# Altium PCB Copy of PCB1.PcbDoc (part 3 of 3)
Units mil, origin at the board's own origin, x right, y up, seen from the top; angles counter-clockwise.
Board outline 7240 x 4675 mil, 2 copper layers (Top Layer, Bottom Layer); 302 components, 122 nets, 3182 pads, 49 vias.
Unrouted connection lines stored in the file: 237.
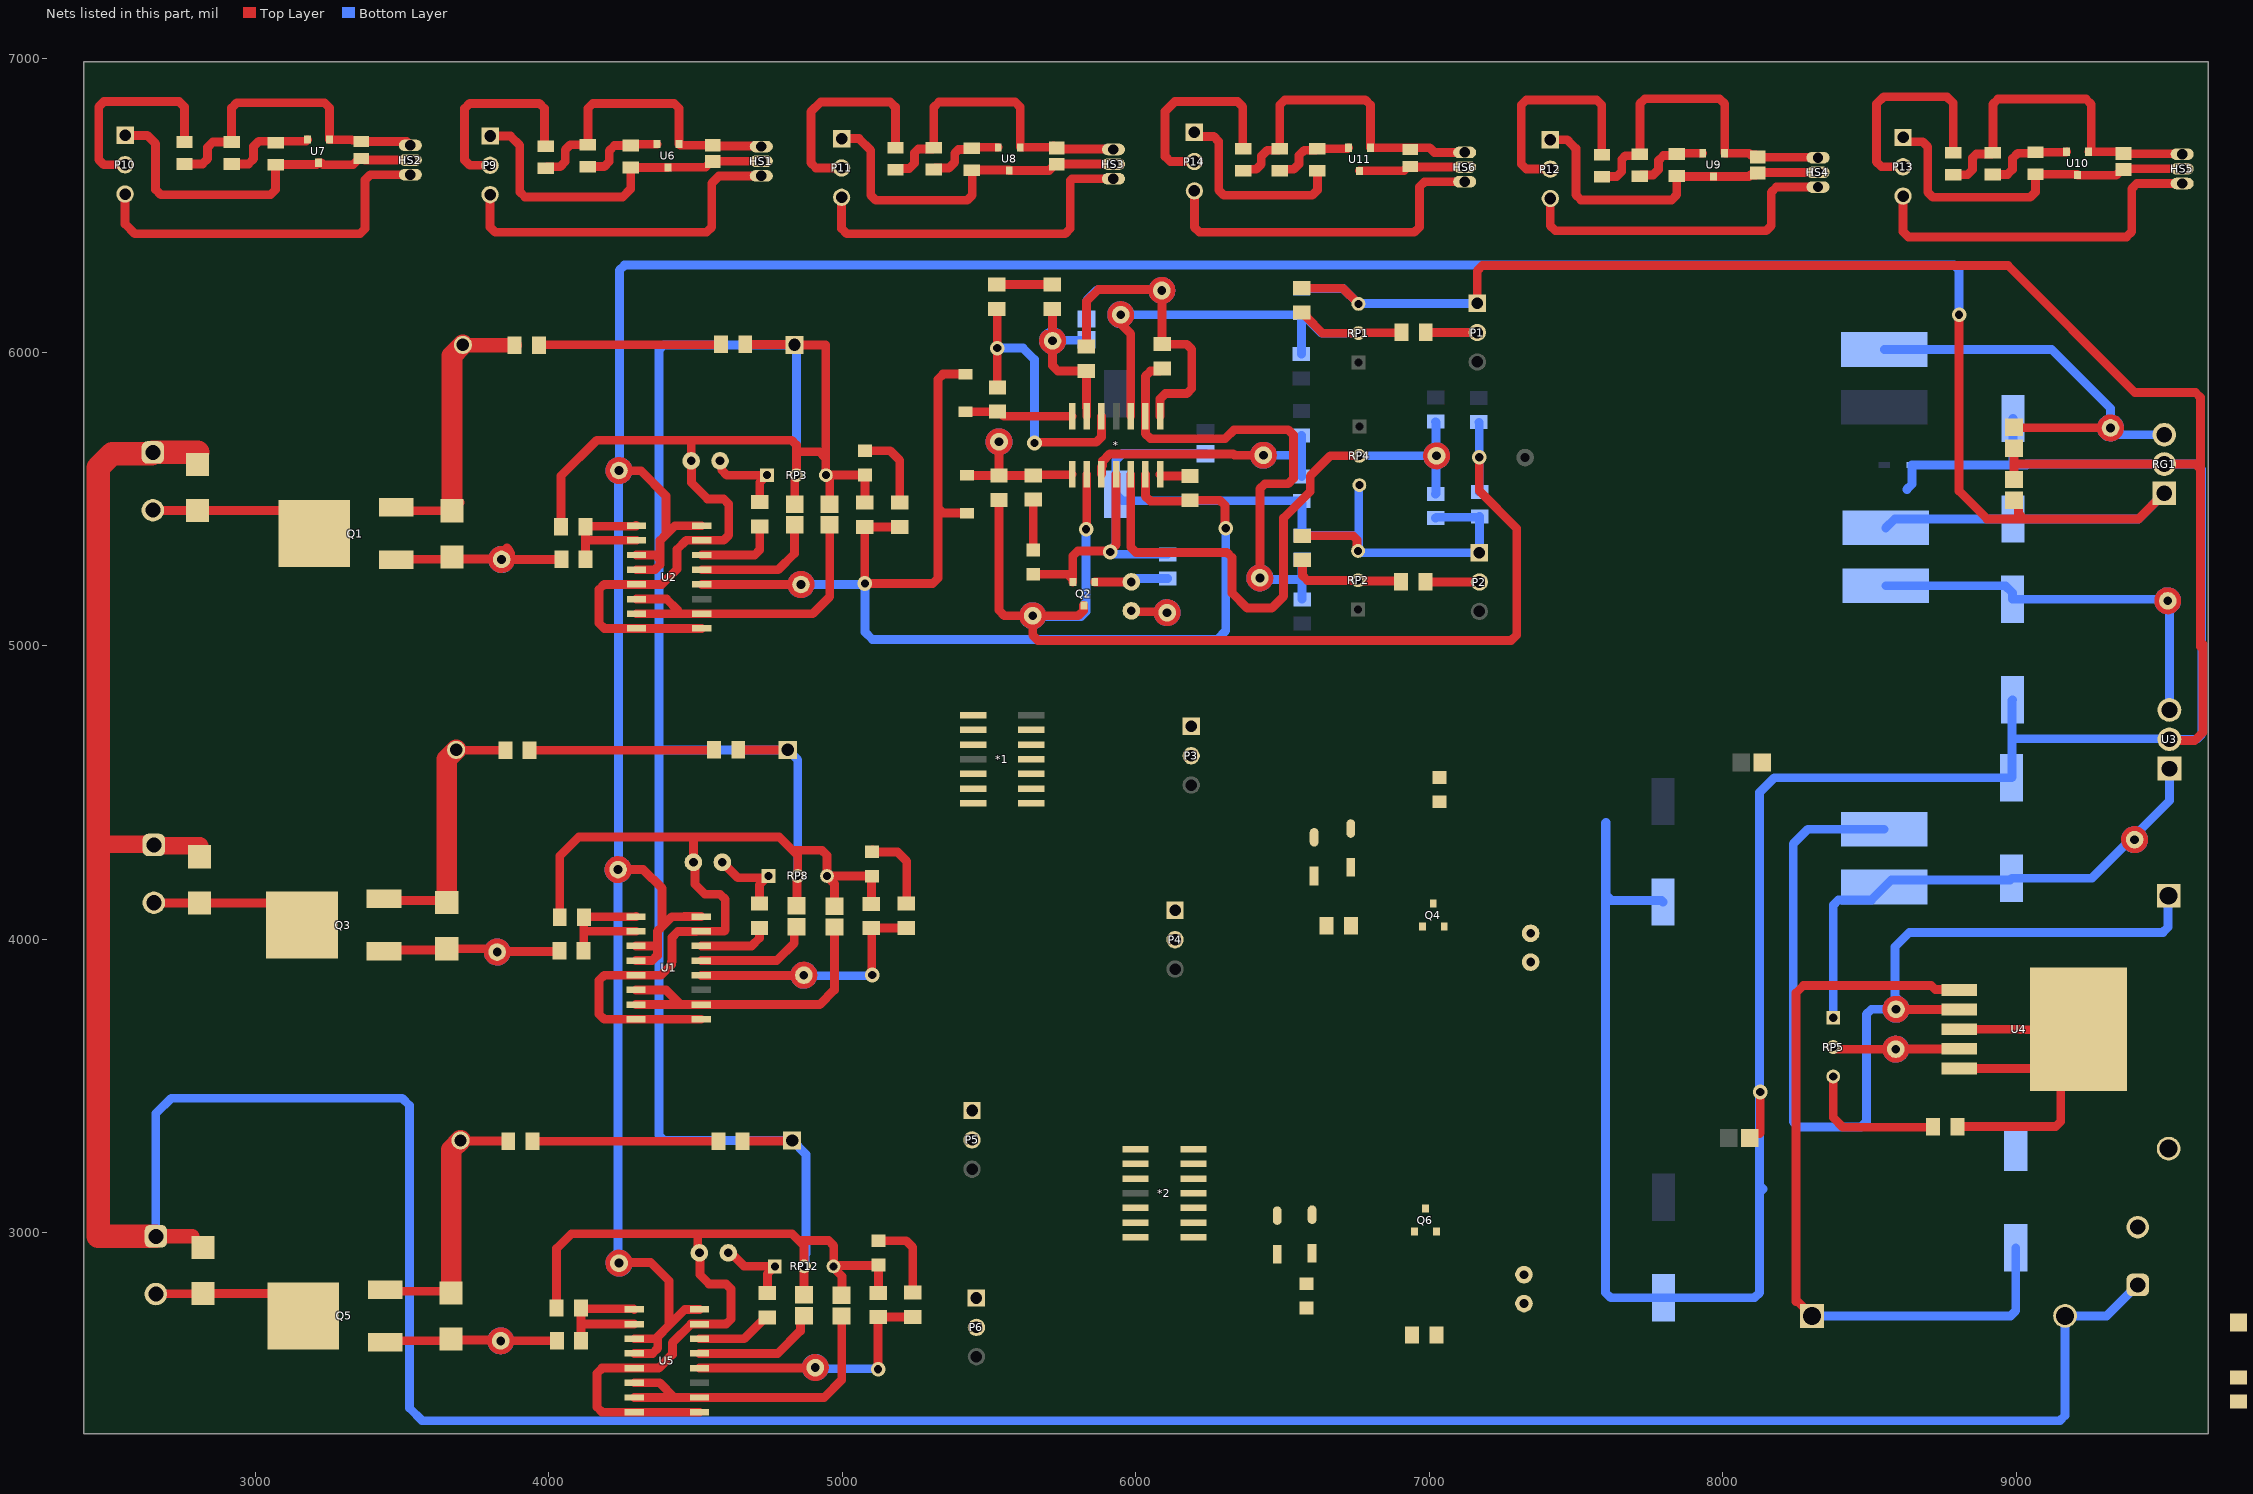
[diagram p3: the nets of this part, all layers, seen from the top]

## Via types
v1: diameter 60/60 (per signal layer), hole 28, Top Layer to Bottom Layer, 36 vias
v2: diameter 50, hole 28, Top Layer to Bottom Layer, 13 vias

## Nets (pads, with @x,y where several pads share a name; then routed paths per layer and width w, separated by ;. In a path a pad name is that pad's centre, name@x,y a point inside that pad or via, vN(x,y) a via of type N, cw(c..) or ccw(c..) an arc to the next point about the centre after c; other vN are vias at no path point) (continued)
+12: C3.1 C6.1 L2.2 R90.2 RG1.1 TP2.1 TP26.1 TP34.1 TP41.1 U1.8 U1.11 U1.12 U2.8 U2.11 U2.12 U5.8 U5.11 U5.12 | length 12671.4
  Top Layer w30: TP26.1@4236,4237 4266.93,4237 4322,4237 4386,4173 4386,4043 ; TP2.1@4239,5597 4240,5596 4269.91,5596 4314,5596 4399,5511 4399,5378 ; 4278.93,2898 4347,2898 4409.67,2835.33 4409.67,2683.99 ; U5.12@4291,2588 4353.29,2588 4371,2605.71 4371,2645.32 ; U5.11@4291,2638 4363.68,2638 4371,2645.32 ; U1.12@4296.75,3927 4352.43,3927 4370,3944.57 4370,3985.79 ; U1.11@4296.75,3977 4361.21,3977 4370,3985.79 ; U2.12@4298.75,5259 4361.43,5259 4379,5276.57 4379,5292 ; U2.11@4298.75,5309 4362,5309 4379,5292 ; U5.8@4513.5,2738 4463.68,2738 4409.67,2683.99 ; U1.8@4519.25,4077 4462.43,4077 4461.43,4076 4419,4076 4386,4043 ; U2.8@4521.25,5409 4430,5409 4399,5378 ; v2(8806,6128) 8806,5527 8901,5432 9026.21,5432 ; C3.1@8993,5495.54 8994.02,5495.54 9008.63,5480.92 9008.63,5449.57 9026.21,5432 ; RG1.1@9505,5519.2 9417.8,5432 9026.21,5432 ; 4370,3985.79 4370,4027 4386,4043 ; 4371,2645.32 4409.67,2683.99 ; 4379,5292 4379,5358 4399,5378
  Bottom Layer w30: TP26.1@4236,4237 4236,4206.1 4236,2926.76 4236,2918.12 4248,2906.12 TP41.1@4248,2898 ; 4237.5,4267.87 4237.5,5566.13 ; TP2.1@4239,5597 4240.5,5598.5 4240.5,5627.87 4240.5,6279.43 4258.07,6297 8788.43,6297 8806,6279.43 v2(8806,6128) ; L2.2@8556,5401.43 8586.32,5431.74 C6.1@8990,5431.74 9417.54,5431.74 RG1.1@9505,5519.2
  other v1: 4239,2896 11754,5243
GND: *1.11 *2.11 *.11 C2.2 C3.2 C4.1 C5.2 C6.2 C7.2 C8.2 C9.1 C10.1 C11.2 C12.2 C14.1 C15.2 C16.2 C17.1 C18.1 C20.1 C21.2 C22.2 C23.1 C24.1 C25.1 C26.1 C27.1 C28.1 C29.1 C30.1 C31.1 C32.1 C33.1 C34.1 C35.1 C36.1 C37.1 C38.1 C39.1 CR1.2 D4.2 D5.2 D10.2 D11.2 D17.2 D18.2 HS1.2 HS2.2 HS3.2 HS4.2 HS5.2 HS6.2 J1.2 J8.1 J9.1 J10.1 P1.1 P2.1 P3.1 P4.1 P5.1 P6.1 P7.7 P7.8 P8.7 P8.8 P9.1 P10.1 P11.1 P12.1 P13.1 P14.1 Q2.2 Q4.2 Q6.2 R3.2 R6.2 R7.1 R10.2 R11.2 R17.2 R18.1 R20.2 R22.1 R23.1 R25.1 R26.2 R30.2 R32.2 R33.1 R34.1 R37.2 R38.2 R44.2 R45.1 R47.2 R49.1 R50.1 R52.1 R53.2 R57.2 R59.2 R60.1 R63.2 R64.2 R70.2 R71.1 R73.2 R75.1 R76.1 R78.1 R79.2 R83.2 R84.2 R85.2 R87.1 R88.2 R92.2 R93.2 R94.2 R96.1 R97.2 R99.1 R100.2 R107.2 R108.2 R109.2 R116.2 R117.2 R118.2 RG1.2 RP1.3 RP2.3 RP3.2 RP3.3 RP4.3 RP6.3 RP7.3 RP8.2 RP8.3 RP9.3 RP10.3 RP11.3 RP12.2 RP12.3 RP13.3 U1.1 U1.7 U1.13 U1.16 U2.1 U2.7 U2.13 U2.16 U3.2 U4.3 U4.5 U4.6 U5.1 U5.7 U5.13 U5.16 U6.3 U7.3 U8.3 U9.3 U10.3 U11.3 Z1.2 | length 42355.7
  Top Layer w30: P10.1@2556,6739 2631,6739 2660,6710 2660,6554.57 2677.57,6537 3051.43,6537 3069,6554.57 R108.2@3069,6639.56 3208.93,6639.56 U7.3@3215,6645.63 3223.89,6645.63 3230.52,6639 3332.65,6639 3353.13,6659.47 3368.87,6659.47 3373.35,6655 HS2.2@3528,6655 ; P9.1@3799.81,6737 3869,6737 3901,6705 3901,6546.57 3918.57,6529 4251.43,6529 4279,6556.57 R107.2@4279,6629.56 4404.9,6629.56 U6.3@4405.6,6630.26 4533.9,6630.26 4554.05,6650.41 C31.1@4559,6650.41 4559.59,6651 HS1.2@4724,6651 ; R71.1@4026.26,2743 4026.26,2945.26 4077,2996 4507.26,2996 ; R45.1@4037.26,4075 4037.26,4283.26 4102,4348 4487,4348 ; R18.1@4041.63,5405 4041.63,5578.63 4163,5700 4482,5700 ; U5.1@4513.5,2388 U5.16@4291,2388 4181.57,2388 4164,2405.57 4164,2520.43 4181.57,2538 U5.13@4291,2538 4374,2538 4421,2585 4421,2624.61 4484.39,2688 U5.7@4513.5,2688 4603.43,2688 4621,2705.57 4621,2807.43 4603.43,2825 4546,2825 4515,2856 4515,2929 J10.1@4513,2931 4507.26,2936.74 4507.26,2996 ; U1.1@4519.25,3727 U1.16@4296.75,3727 4188.57,3727 4171,3744.57 4171,3859.43 4188.57,3877 U1.13@4296.75,3877 4382,3877 4418,3913 4418,3921.86 4420,3923.86 4420,4006.29 4439.71,4026 4501.5,4026 4502.5,4027 U1.7@4519.25,4027 4598,4027 4601,4030 4601,4135.43 4583.43,4153 4532,4153 4498,4187 4498,4256.57 J9.1@4492.57,4262 4492.57,4342.43 4487,4348 ; U2.1@4521.25,5059 U2.16@4298.75,5059 4188.57,5059 4171,5076.57 4171,5191.43 4188.57,5209 U2.13@4298.75,5209 4385,5209 4436.57,5260.57 4436.57,5327.57 4468,5359 U2.7@4521.25,5359 4595.43,5359 4613,5376.57 4613,5482.43 4595.43,5500 4541,5500 4486,5555 4486,5629 J8.1@4485,5630 4485,5697 4482,5700 ; R97.2@4645.37,4645 R96.1@4814,4645 ; R100.2@4660.37,3311 4661.87,3312.5 4827.5,3312.5 R99.1@4829,3314 ; R88.2@4670.37,6026 4836,6026 R87.1@4837,6025 4943.43,6025 4943.43,5581.57 RP3.3@4944,5581 ; C4.1@4838,5482.46 RP3.2@4838,5570.33 ; C14.1@4844,4113.46 4846,4115.46 4846,4213.2 RP8.2@4848,4215.2 4848,4285.43 4830.43,4303 ; RP3.2@4844,5581 4844,5664 ; C20.1@4869,2788 4869.5,2788.5 4869.5,2884.5 RP12.2@4870,2885 4870,2954.43 4851.43,2973 ; 4940.7,5642.73 4922.43,5661 4847,5661 4844,5664 ; RP3.3@4946,5581.33 D4.2@5077.67,5581.33 ; RP3.3@4957,5563.33 C5.2@4957,5482.46 C5.2@4959.45,5484.92 ; C15.2@4973,4112.46 4973,4189 4948,4214 RP8.3@4948,4215.2 ; C21.2@4997,2786.46 4999,2788.46 4999,2851.33 4970,2880.33 RP12.3@4970,2885 RP12.3@4971,2886 ; P11.1@4997.81,6728 5057,6728 5097,6688 5097,6535.57 5114.57,6518 5425.43,6518 5443,6535.57 5443,6618.56 R109.2@5441,6620.56 5568.07,6620.56 U8.3@5569,6619.63 5704.86,6619.63 5726.05,6640.82 C33.1@5731,6640.82 5731.18,6641 HS3.2@5924,6641 ; R11.2@5076,5487.37 5077,5488.37 5077,5580.66 D4.2@5077.67,5581.33 ; D4.2@5078,5581.66 D4.2@5077.67,5581.33 ; R38.2@5099,4120.37 5100,4121.37 5100,4213.66 D10.2@5101,4214.66 5100.73,4214.93 4948.27,4214.93 RP8.3@4948,4215.2 ; R64.2@5122,2794.37 5123,2795.37 D17.2@5123,2888.66 ; D17.2@5124,2889.66 D17.2@5123,2888.66 ; R3.2@5527.5,6230.87 R3.2@5527,6230.37 R10.2@5716,6230.37 R10.2@5715.5,6229.87 ; D5.2@5651,5243.66 5768.02,5243.66 Q2.2@5785.6,5226.09 ; Q2.2@5785.6,5216.37 Q2.2@5785.6,5226.09 ; *.11@5933,5584.03 5933,5344.41 5913,5324.41 v2(5913,5319) 5909.17,5322.83 5843.76,5322.83 5843.59,5323 5803.17,5323 5785.6,5305.43 Q2.2@5785.6,5226.09 ; P14.1@6199.81,6750 6214.34,6735.47 6265.43,6735.47 6283,6717.9 6283,6552.57 6300.57,6535 6601.43,6535 6619,6552.57 R118.2@6619,6618.56 ; R6.2@6566,6218.37 6705.63,6218.37 RP1.3@6759,6165 ; R17.2@6568,5374.37 6740.43,5374.37 6754.5,5360.3 6754.5,5326.3 RP2.3@6757.8,5323 ; U11.3@6762.6,6618.26 6913.91,6618.26 6928.13,6632.47 C36.1@6936,6632.47 6937.47,6631 HS6.2@7121,6631 ; P1.1@7163.81,6167 7163.81,6278.05 7181.38,6295.62 8972.38,6295.62 9405,5863 9611.43,5863 9629,5845.43 9629,5601.43 9629,5545.5 9628.5,5545 9628.5,4996.5 ; P12.1@7412.81,6724 7470,6724 7485.99,6708.01 7500,6694 7500,6536.57 7517.57,6519 7826.43,6519 7844,6536.57 R116.2@7844,6600.56 7845.3,6599.26 U9.3@7969.6,6599.26 8090.73,6599.26 8095.14,6603.67 8113.26,6603.67 C34.1@8120,6610.41 8122.59,6613 HS4.2@8325,6613 ; C24.1@8092.46,3322 8092.46,3323.02 8107.08,3337.63 8126.06,3337.63 8128,3339.57 v2(8128,3479) ; C18.1@8132.46,4604 C18.1@8134.46,4602 ; P13.1@8615,6732 8629.53,6717.47 8681.43,6717.47 8699,6699.9 8699,6545.57 8716.57,6528 9048.43,6528 9066,6545.57 R117.2@9066,6606.56 9208.07,6606.56 U10.3@9210,6604.63 ; R33.1@8800.37,3361 9134.43,3361 9152,3378.57 U4.6@9152,3632.61 ; U4.5@8806.69,3558.98 9078.38,3558.98 U4.6@9152,3632.61 ; U4.3@8806.69,3693 9015,3693 9017,3691 U4.6@9210.39,3691 ; C3.2@8992,5579 8992.5,5579.5 8992.5,5619 ; C2.2@8993,5673.07 8992.5,5672.57 8992.5,5619 ; U10.3@9211.6,6603.03 9341.67,6603.03 9363.64,6625 HS5.2@9566,6625 ; U4.6@9212.39,3693 U4.6@9210.39,3691 ; U3.2@9522.74,4681 9526.74,4677 9609,4677 9637,4705 9637,5005 ; 9628.5,5601.43 9610.93,5619 RG1.2@9505,5619 8992.5,5619 ; 4482,5700 4827.43,5700 4844,5683.43 4844,5664 ; 4487,4348 4785.43,4348 4830.43,4303 ; 4507.26,2996 4828.43,2996 4851.43,2973 ; 4830.43,4303 4930.43,4303 4948,4285.43 RP8.3@4948,4215.2 ; 4851.43,2973 4953.43,2973 4971,2955.43 RP12.3@4971,2886 ; RP12.3@4971,2886 4972.33,2887.33 5121.67,2887.33 D17.2@5123,2888.66 ; U4.6@9152,3632.61 U4.6@9210.39,3691
  Bottom Layer w30: RP3.2@4844,5581 4844,6018 R87.1@4837,6025 4392.57,6025 4375,6007.43 4375,4649 ; RP8.2@4848,4215.2 4848,4611 R96.1@4814,4645 4379,4645 4375,4649 ; RP12.2@4870,2885 4873.3,2888.3 4873.3,2926.3 4876,2929 4876,3267 R99.1@4829,3314 4392.57,3314 4375,3331.57 4375,4649 ; R25.1@6109,5311.37 5926.04,5311.37 5918.41,5319 v2(5913,5319) 5913,5324.41 5932,5343.41 C16.2@5932,5515.74 ; C10.1@6238,5654.54 5954.54,5654.54 5932,5632 C16.2@5932,5515.74 ; R7.1@6565,6217 6707,6217 RP1.3@6759,6165 6760,6166 7162.81,6166 P1.1@7163.81,6167 ; RP4.3@6762,5547 6759.9,5544.9 6759.9,5377 ; R26.2@7022,5434.63 7025,5437.63 7169,5437.63 R22.1@7171.5,5440.13 ; R22.1@7172,5440.63 R22.1@7171.5,5440.13 ; C22.2@7797,4126.48 7791.48,4132 7620.57,4132 7603,4149.57 7603,4398 7601,4396 7601,2795.31 7618.57,2777.74 C8.2@7799,2777.74 8108.43,2777.74 8126,2795.31 8126,3160.57 ; 8132,3143 8132,3154.57 ; 8137.79,3148.79 8132,3154.57 ; 8627.91,5532.49 8645.49,5550.06 Z1.2@8645.49,5616 8990,5616 ; C7.2@8988,4815.74 8986.5,4814.24 8986.5,4682.87 ; C6.2@8990,5774.26 8990,5616 ; 9036,5616 8990,5616 ; 9036,5619 RG1.2@9505,5619 9615.43,5619 9633,5601.43 9633,4698.57 9615.43,4681 U3.2@9522.74,4681 9520.87,4682.87 8986.5,4682.87 ; C16.2@5932,5515.74 5954.11,5493.63 R23.1@6566,5493.63 6566.5,5493.13 6566.5,5376.87 R20.2@6567,5376.37 6759.27,5376.37 6759.9,5377 ; 6759.9,5377 6759.9,5325.1 RP2.3@6757.8,5323 6762.47,5323 6768.47,5317 P2.1@7171,5317 7171.5,5317.5 R22.1@7171.5,5440.13 ; 8126,3160.57 8126,4500 8176,4550 C11.2@8985,4550 8986.5,4551.5 8986.5,4682.87 ; 8126,3160.57 8132,3154.57
Net*1_1: *1.1 C13.1 R27.2 R36.2 R82.2 TP21.1
  other v1: 12301,4909
Net*1_2: *1.2 R27.1 R42.2 R43.1 R44.1 R47.1 RP7.2 TP27.1
  other v1: 12600,5135
Net*1_3: *1.3 R28.2 R29.1 R32.1 R34.2 RP6.2 TP23.1
  other v1: 12992,5162
Net*1_5: *1.5 R30.1 R31.2
Net*1_6: *1.6 C13.2 R36.1 R37.1 TP22.1
  other v1: 12773,4916
Net*1_7: *1.7 D7.2 R31.1
Net*1_8: *1.8 D9.2 R48.2 R123.1 TP29.1
  other v1: 13324,5135
Net*1_9: *1.9 Q4.3 R46.2 R49.2 R123.2 TP30.1
  other v1: 13457,4929
Net*1_10: *1.10 R41.2 R50.2 TP28.1
  other v1: 13164,4909
Net*1_12: *1.12 R51.1 R53.1 RP9.2 TP33.1
  other v1: 14054,5148
Net*1_13: *1.13 D7.1 D9.1 R38.1 R40.2 R120.2 TP24.1 U1.4 | length 865.1
  Top Layer w30: U1.4@4519.25,3877 4520.25,3876 4797.09,3876 4827,3876 4828,3875 ; v2(5102,3878) 5100.5,3879.5 5100.5,4036.13 R38.1@5099,4037.63 5099.5,4038.13 5217.5,4038.13 R40.2@5218,4038.63
  Bottom Layer w30: 4828,3875 4858.9,3875 5099,3875 v2(5102,3878)
Net*2_1: *2.1 C19.1 R54.2 R62.2 R81.2 TP36.1
  other v1: 11874,4984
Net*2_2: *2.2 R54.1 R68.2 R69.1 R70.1 R73.1 RP11.2 TP42.1
  other v1: 12835,4379
Net*2_3: *2.3 R55.2 R56.1 R59.1 R60.2 RP10.2 TP38.1
  other v1: 11230,5316
Net*2_5: *2.5 R57.1 R58.2
Net*2_6: *2.6 C19.2 R62.1 R63.1 TP37.1
  other v1: 11482,4978
Net*2_7: *2.7 D13.2 R58.1
Net*2_8: *2.8 D15.2 R74.2 R124.1 TP44.1
  other v1: 13784,4306
Net*2_9: *2.9 Q6.3 R72.2 R75.2 R124.2 TP45.1
  other v1: 12137,4353
Net*2_10: *2.10 R67.2 R76.2 TP43.1
  other v1: 13299,4286
Net*2_12: *2.12 R77.1 R79.1 RP13.2 TP48.1
  other v1: 11407,4320
Net*2_13: *2.13 D13.1 D15.1 R64.1 R66.2 R121.2 TP39.1 U5.4 | length 875.6
  Top Layer w30: U5.4@4513.5,2538 4877.14,2538 4906,2538 v1(4908,2540) ; v2(5122,2534) R64.1@5122,2711.63 5122.5,2712.13 5239.5,2712.13 R66.2@5240,2712.63
  Bottom Layer w30: 4938.64,2536 5120,2536 v2(5122,2534)
Net*2_14: *2.14 C23.2 D21.1 J3.1 R121.1 TP31.1 TP47.1
  other v1: 12489,4320 13689,5135
Net*_1: *.1 C1.1 R5.2 R9.2 R80.2 TP9.1 | length 1308.1
  Top Layer w30: R9.2@5832,6019.37 5832,6173 5873,6214 6058.07,6214 ; *.1@6083,5781.97 6083,5841.43 6100.57,5859 6173.43,5859 6191,5876.57 6191,6009.8 6173.43,6027.37 R5.2@6090,6027.37 6089.5,6027.87 6089.5,6179.58
  Bottom Layer w30: C1.1@5833,6113.46 5833,6177 5869,6213 6058.2,6213 6086.5,6213 v1(6089,6210.5)
Net*_2: *.2 R5.1 R15.2 R16.1 R17.1 R20.1 RP2.2 TP13.1 | length 2248.4
  Top Layer w30: R5.1@6090,5944.63 6081.25,5935.88 6050.57,5935.88 6033,5918.3 *.2@6033,5781.97 6033,5722.57 6050.57,5705 6304.19,5705 6335.19,5736 6519.57,5736 6537.15,5718.43 6537.15,5569.57 6519.57,5552 6440.57,5552 6423,5534.43 6423,5261.93 v1(6423,5231) ; R17.1@6568,5291.63 6568,5239.57 6585.57,5222 6756.8,5222 RP2.2@6757.8,5223 6760.3,5220.5 6902.13,5220.5 R15.2@6904.63,5218
  Bottom Layer w30: v1(6423,5231) 6453.9,5231 6459.09,5225.81 6567,5225.81 ; R16.1@6567,5158 6567,5225.81 ; R20.1@6567,5293.63 6567,5225.81 ; RP2.2@6757.8,5223 6569.81,5223 6567,5225.81
Net*_3: *.3 R1.2 R2.1 R6.1 R7.2 RP1.2 TP10.1 | length 1695.5
  Top Layer w30: v1(5949,6128) 5949,6097.07 5983,6063.07 *.3@5983,5781.97 ; R6.1@6566,6135.63 6571.94,6135.63 6580.69,6126.88 6580.69,6120.94 6636.63,6065 RP1.2@6759,6065 6760.5,6066.5 6904.13,6066.5 R1.2@6905.63,6068
  Bottom Layer w30: v1(5949,6128) 5979.9,6128 6558.74,6128 R7.2@6565,6134.26 6564.5,6133.76 6564.5,5993.87 R2.1@6564,5993.37 ; R7.2@6579.69,6119.57 6634.26,6065 RP1.2@6759,6065
Net*_5: *.5 R3.1 R4.2 | length 1001.9
  Top Layer w30: R3.1@5527,6147.63 5528,6146.63 v2(5528,6014) 5528,5881.37 R4.2@5529,5880.37 ; v2@5655,5693 5865.43,5693 5883,5710.57 *.5@5883,5781.97
  Bottom Layer w30: v2(5528,6014) 5616,6014 5655,5975 v2(5655,5691)
Net*_6: *.6 C1.2 R9.1 R10.1 TP8.1 | length 589.5
  Top Layer w30: R10.1@5716,6147.63 5716.31,6147.31 5716.31,6046.01 5716.31,6039.31 TP8.1@5716.63,6038.99 5716.63,6008.07 5716.63,5953.7 5734.2,5936.13 5832.5,5936.13 5832.5,5811.65 5833,5811.15 *.6@5833,5781.97
  Bottom Layer w30: TP8.1@5716.63,6038.99 5718.4,6040.76 5747.48,6040.76 5831.23,6040.76 C1.2@5833,6042.54
Net*_7: *.7 D2.2 R4.1 | length 369.9
  Top Layer w30: D2.2@5420,5796.63 5420.5,5797.13 5528.5,5797.13 R4.1@5529,5797.63 5534.94,5797.63 5550.6,5781.97 *.7@5783,5781.97
Net*_8: *.8 D3.2 R21.2 R122.1 TP15.1 | length 475.7
  Top Layer w30: D3.2@5425,5580.37 5425.5,5579.87 R122.1@5533.5,5579.87 ; v1(5534,5695) 5534,5664.07 5534,5580.37 R122.1@5533.5,5579.87 ; *.8@5783,5584.03 5781.17,5582.2 5652.83,5582.2 R21.2@5651,5580.37 5650.5,5579.87 5534.5,5579.87 R122.1@5534,5579.37 R122.1@5533.5,5579.87
Net*_9: *.9 Q2.3 R19.2 R22.2 R122.2 TP3.1 | length 3891.9
  Top Layer w30: R122.2@5534,5496.63 5534,5120.57 5552.57,5102 5618.07,5102 ; v1(5649,5102) 5649,5087 5649,5071.07 5649,5035.57 5666.57,5018 7280,5018 7298.57,5036.57 7298.57,5399.43 7170.5,5527.5 v2(7170.5,5642.5) ; 5679.93,5102 5804.43,5102 5822,5119.57 5822,5136.63 Q2.3@5823,5137.63 ; v2(5831,5397) 5833,5399 *.9@5833,5584.03
  Bottom Layer w30: 5679.76,5099 5813.43,5099 5831,5116.57 v2(5831,5397) ; R19.2@7169,5761.63 7170.5,5760.13 v2(7170.5,5642.5) 7170.5,5524.87 R22.2@7172,5523.37
Net*_10: *.10 R14.2 R23.2 TP14.1 | length 879.1
  Top Layer w30: *.10@5883,5584.03 5883,5609.7 5887.02,5613.72 5887.02,5629.07 5911.66,5653.72 6332.28,5653.72 6337,5649 6404.07,5649 v1(6435,5649)
  Bottom Layer w30: v1(6435,5649) 6465.9,5649 6563,5649 6565.5,5646.5 ; R14.2@6565,5716.63 6565.5,5716.13 6565.5,5646.5 ; R23.2@6566,5576.37 6565.5,5576.87 6565.5,5646.5
Net*_12: *.12 R24.1 R26.1 RP4.2 TP6.1 | length 2034.9
  Top Layer w30: *.12@5983,5584.03 5983,5335.57 6000.57,5318 6310.43,5318 6328,5300.43 6328,5180 6380,5128 6463,5128 6503.93,5168.93 6503.93,5434.93 6594.5,5525.5 6594.5,5578.5 6663,5647 RP4.2@6762,5647
  Bottom Layer w30: RP4.2@6762.5,5646.5 RP4.2@6762,5647 6994.1,5647 v1(7025,5647) ; R26.1@7022,5517.37 7023.5,5518.87 7023.5,5616.13 ; R24.1@7022,5763.26 7023.5,5761.76 7023.5,5677.87
Net*_13: *.13 D2.1 D3.1 R11.1 R13.2 R119.2 TP12.1 U2.4 | length 4236.5
  Top Layer w30: U2.4@4521.25,5209 4521.75,5208.5 4828.36,5208.5 TP12.1@4859.29,5208.5 4859.85,5208.5 4868.29,5208.5 4874.29,5208.5 4874.5,5208.5 TP12.1@4875,5208 ; R13.2@5196,5404.63 R11.1@5076,5404.63 5076.5,5404.13 5076.5,5212.5 v2(5077,5212) 5308.43,5212 5326,5229.57 5326,5469.57 ; D2.1@5420,5925.37 5343.57,5925.37 5326,5907.8 5326,5469.57 ; D3.1@5425,5451.63 5424.63,5452 5343.57,5452 5326,5469.57 ; *.13@6033,5584.03 6033,5509.57 6050.57,5492 6181.37,5492 R119.2@6185,5495.63 6286.43,5495.63 6304,5478.05 6304,5403 v2(6307,5400)
  Bottom Layer w30: TP12.1@4859.29,5208.5 4890.19,5208.5 5073.5,5208.5 v2(5077,5212) 5077,5047 5102.9,5021.1 6277.1,5021.1 6307,5051 v2(6307,5400)
Net*_14: *.14 C9.2 D19.1 J7.1 R119.1 TP17.1 TP46.1 | length 105.3
  Top Layer w30: *.14@6083,5584.03 6083,5582.39 6087.02,5578.37 R119.1@6185,5578.37
  other v1: 11253,3126 11434,3397
NetC2_1: C2.1 L1.1 RG1.3 TP1.1 | length 1410.6
  Top Layer w30: C2.1@8993,5744 8994,5743 9291.09,5743 9321,5743 TP1.1@9322,5742
  Bottom Layer w30: L1.1@8551,6009.43 9121.57,6009.43 9322,5809 9322,5772.9 TP1.1@9322,5742 ; 9347.53,5724.59 9353.12,5719 RG1.3@9505,5719
NetC4_2: C4.2 U2.5 | length 446.1
  Top Layer w30: U2.5@4521.25,5259 4782,5259 4836.98,5313.98 4836.98,5420.54 C4.2@4838,5420.54
NetC5_1: C5.1 U2.2 U2.14 U2.15 | length 1094.4
  Top Layer w30: U2.15@4298.75,5109 4438,5109 ; U2.14@4298.75,5159 4401,5159 4438,5122 4438,5109 ; C5.1@4957,5411.54 4957,5167 4899,5109 U2.2@4521.25,5109 4438,5109
NetC7_1: C7.1 L2.1 TP5.1 U3.3 | length 1362.6
  Bottom Layer w30: L2.1@8556,5204.57 8963.63,5204.57 8988,5180.2 C7.1@8988,5158.26 9499.74,5158.26 9522.74,5135.26 U3.3@9522.74,4781
NetC11_1: C11.1 L3.2 RP5.1 TP4.1 U3.1 | length 1786.5
  Bottom Layer w30: RP5.1@8377,3732 8377,4115.95 8394.57,4133.52 8506.94,4133.52 8575.37,4201.94 8979.46,4201.94 C11.1@8985,4207.48 9258.48,4207.48 9522.74,4471.74 U3.1@9522.74,4581.2
NetC12_1: C12.1 CR2.1 U4.1 | length 2615.9
  Top Layer w30: CR2.1@8305,2716 8256,2765 8250,2765 8250,3816.43 8275.5,3841.93 8711.07,3841.93 8724.5,3828.5 8805.2,3828.5 U4.1@8806.69,3827.02
  Bottom Layer w30: CR2.1@8305,2716 8981.43,2716 8999,2733.57 C12.1@8999,2948
NetC14_2: C14.2 U1.5 | length 400.7
  Top Layer w30: U1.5@4519.25,3927 4776.5,3927 4836.07,3986.57 4836.07,4034.61 C14.2@4844,4042.54
NetC15_1: C15.1 U1.2 U1.14 U1.15 | length 1084.5
  Top Layer w30: U1.15@4296.75,3777 4449,3777 ; U1.14@4296.75,3827 4399,3827 4449,3777 ; C15.1@4973,4041.54 4973,3827 4923,3777 U1.2@4519.25,3777 4449,3777
NetC17_2: C17.2 D20.1 J6.1 R120.1 TP16.1 TP32.1 | length 155.2
  Top Layer w30: J6.1@5984.29,5119.71 J6.1@5985,5119 5988.25,5115.75 6076.25,5115.75 6103.75,5115.75 v1(6107,5112.5) ; TP16.1@6107,5113.24 6107,5142.71
  other v1: 13809,4943
NetC20_2: C20.2 U5.5 | length 432.4
  Top Layer w30: U5.5@4513.5,2588 4780,2588 4857.09,2665.09 4857.09,2705.16 C20.2@4869,2717.07
NetC21_1: C21.1 U5.2 U5.14 U5.15 | length 1107.5
  Top Layer w30: U5.15@4291,2438 4428,2438 ; U5.14@4291,2488 4378,2488 4428,2438 ; C21.1@4997,2715.54 4998,2714.54 4998,2498 4938,2438 U5.2@4513.5,2438 4428,2438
NetC25_2: C25.2 P7.1 R80.1 R83.1
NetC26_2: C26.2 P7.2 R82.1 R84.1
NetC27_2: C27.2 P7.3 R81.1 R85.1
NetC28_2: C28.2 P8.1 R89.1 R92.1
NetC29_2: C29.2 P8.2 R90.1 R93.1
NetC30_2: C30.2 P8.3 R91.1 R94.1
NetC31_2: C31.2 HS1.1 R101.1 R104.1 U6.1 | length 1053.2